# Altium PCB PCB.pcbdoc (part 5 of 6)
Units mil, origin at the board's own origin, x right, y up, seen from the top; angles counter-clockwise.
Board outline 12030 x 6651.89 mil, 2 copper layers (Top Layer, Bottom Layer); 4 components, 257 nets, 480 pads, 2 vias.
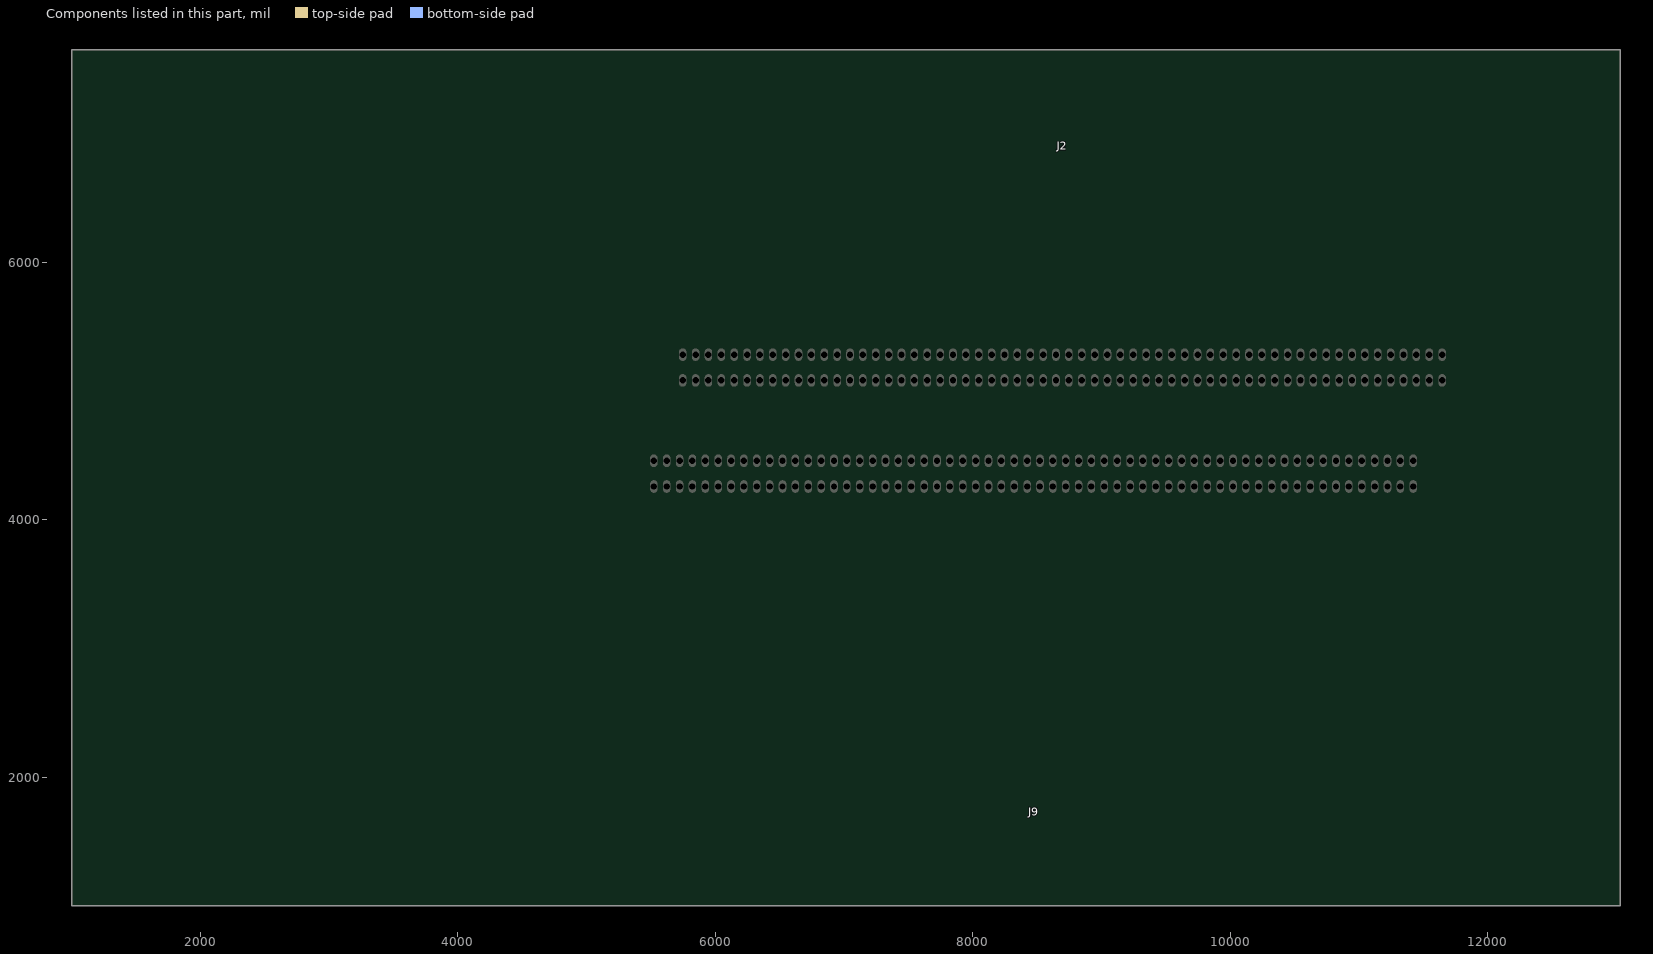
[diagram p5: the components of this part, seen from the top]

## Footprints (in the part's own frame and the unit in brackets; to place one, negate y for a bottom-side part, rotate by r counter-clockwise, add the part's x,y. Pads: shape width x height; smd on the part's side, far side on the other; paste and mask are expansions set on the pad) (continued)
I/O_EDGE_CONNECTOR [mil] (continued)
  Bottom Layer region: -248.3,213.67 -249.93,213.71 -249.93,213.71 -251.57,213.67 -251.57,213.67 -253.2,213.55 -253.2,213.55 -254.82,213.35 -254.82,213.35 -256.43,213.07 -256.43,213.07 -258.03,212.71 -258.03,212.71 -259.61,212.28 -259.61,212.28 -261.16,211.76 -261.16,211.76 -262.69,211.18 -262.69,211.18 -264.18,210.51 -264.18,210.51 -265.65,209.78 -265.65,209.78 -267.07,208.97 -267.07,208.97 -268.45,208.1 -268.45,208.1 -269.8,207.16 -269.8,207.16 -271.09,206.16 -271.09,206.16 -272.33,205.09 -272.33,205.09 -273.51,203.97 -273.51,203.97 -274.65,202.78 -274.65,202.78 -275.72,201.55 -275.72,201.55 -276.73,200.26 -276.73,200.26 -277.67,198.92 -277.67,198.92 -278.55,197.54 -278.55,197.54 -279.36,196.12 -279.36,196.12 -280.1,194.66 -280.1,194.66 -280.77,193.17 -280.77,193.17 -281.37,191.65 -281.37,191.65 -281.89,190.09 -281.89,190.09 -282.33,188.52 -282.33,188.52 -282.69,186.92 -282.69,186.92 -282.98,185.31 -282.98,185.31 -283.19,183.69 -283.19,183.69 -283.32,182.06 -283.32,182.06 -283.36,180.46 -283.36,180.46 -283.39,180.46 -283.39,180.46 -283.39,-213.24 -283.39,-213.24 -216.46,-213.24 -216.46,-213.24 -216.46,180.46 -216.46,180.46 -216.51,182.09 -216.51,182.09 -216.64,183.72 -216.64,183.72 -216.85,185.35 -216.85,185.35 -217.14,186.95 -217.14,186.95 -217.51,188.55 -217.51,188.55 -217.95,190.12 -217.95,190.12 -218.47,191.68 -218.47,191.68 -219.07,193.2 -219.07,193.2 -219.74,194.69 -219.74,194.69 -220.48,196.15 -220.48,196.15 -221.29,197.57 -221.29,197.57 -222.17,198.95 -222.17,198.95 -223.12,200.28 -223.12,200.28 -224.13,201.57 -224.13,201.57 -225.2,202.81 -225.2,202.81 -226.34,203.99 -226.34,203.99 -227.52,205.11 -227.52,205.11 -228.77,206.18 -228.77,206.18 -230.06,207.18 -230.06,207.18 -231.4,208.12 -231.4,208.12 -232.78,208.99 -232.78,208.99 -234.21,209.79 -234.21,209.79 -235.67,210.53 -235.67,210.53 -237.17,211.19 -237.17,211.19 -238.7,211.77 -238.7,211.77 -240.25,212.28 -240.25,212.28 -241.83,212.72 -241.83,212.72 -243.43,213.07 -243.43,213.07 -245.04,213.35 -245.04,213.35 -246.66,213.55 -246.66,213.55
  Bottom Layer region: -348.38,212.73 -350.01,212.77 -350.01,212.77 -351.65,212.73 -351.65,212.73 -353.28,212.61 -353.28,212.61 -354.91,212.41 -354.91,212.41 -356.52,212.13 -356.52,212.13 -358.11,211.77 -358.11,211.77 -359.69,211.33 -359.69,211.33 -361.24,210.82 -361.24,210.82 -362.77,210.23 -362.77,210.23 -364.27,209.57 -364.27,209.57 -365.73,208.84 -365.73,208.84 -367.16,208.03 -367.16,208.03 -368.54,207.16 -368.54,207.16 -369.88,206.22 -369.88,206.22 -371.17,205.22 -371.17,205.22 -372.41,204.15 -372.41,204.15 -373.6,203.02 -373.6,203.02 -374.73,201.84 -374.73,201.84 -375.8,200.6 -375.8,200.6 -376.81,199.32 -376.81,199.32 -377.76,197.98 -377.76,197.98 -378.64,196.6 -378.64,196.6 -379.45,195.18 -379.45,195.18 -380.19,193.72 -380.19,193.72 -380.86,192.23 -380.86,192.23 -381.45,190.7 -381.45,190.7 -381.97,189.15 -381.97,189.15 -382.41,187.58 -382.41,187.58 -382.78,185.98 -382.78,185.98 -383.06,184.37 -383.06,184.37 -383.27,182.75 -383.27,182.75 -383.4,181.12 -383.4,181.12 -383.45,179.52 -383.45,179.52 -383.48,179.52 -383.48,179.52 -383.48,-214.19 -383.48,-214.19 -316.55,-214.19 -316.55,-214.19 -316.55,179.52 -316.55,179.52 -316.6,181.15 -316.6,181.15 -316.73,182.78 -316.73,182.78 -316.94,184.4 -316.94,184.4 -317.22,186.02 -317.22,186.02 -317.59,187.61 -317.59,187.61 -318.03,189.18 -318.03,189.18 -318.56,190.74 -318.56,190.74 -319.15,192.26 -319.15,192.26 -319.82,193.75 -319.82,193.75 -320.56,195.21 -320.56,195.21 -321.38,196.63 -321.38,196.63 -322.26,198.01 -322.26,198.01 -323.2,199.34 -323.2,199.34 -324.22,200.63 -324.22,200.63 -325.29,201.86 -325.29,201.86 -326.42,203.05 -326.42,203.05 -327.61,204.17 -327.61,204.17 -328.85,205.23 -328.85,205.23 -330.14,206.24 -330.14,206.24 -331.48,207.18 -331.48,207.18 -332.87,208.05 -332.87,208.05 -334.29,208.85 -334.29,208.85 -335.76,209.59 -335.76,209.59 -337.25,210.24 -337.25,210.24 -338.78,210.83 -338.78,210.83 -340.33,211.34 -340.33,211.34 -341.91,211.78 -341.91,211.78 -343.51,212.13 -343.51,212.13 -345.12,212.41 -345.12,212.41 -346.75,212.61 -346.75,212.61
  Bottom Layer region: -448.38,212.73 -450.01,212.77 -450.01,212.77 -451.65,212.73 -451.65,212.73 -453.28,212.61 -453.28,212.61 -454.9,212.41 -454.9,212.41 -456.52,212.13 -456.52,212.13 -458.11,211.77 -458.11,211.77 -459.69,211.33 -459.69,211.33 -461.24,210.82 -461.24,210.82 -462.77,210.23 -462.77,210.23 -464.27,209.57 -464.27,209.57 -465.73,208.84 -465.73,208.84 -467.15,208.03 -467.15,208.03 -468.54,207.16 -468.54,207.16 -469.88,206.22 -469.88,206.22 -471.17,205.22 -471.17,205.22 -472.41,204.15 -472.41,204.15 -473.6,203.02 -473.6,203.02 -474.73,201.84 -474.73,201.84 -475.8,200.6 -475.8,200.6 -476.81,199.32 -476.81,199.32 -477.75,197.98 -477.75,197.98 -478.63,196.6 -478.63,196.6 -479.45,195.18 -479.45,195.18 -480.18,193.72 -480.18,193.72 -480.85,192.23 -480.85,192.23 -481.45,190.7 -481.45,190.7 -481.97,189.15 -481.97,189.15 -482.41,187.58 -482.41,187.58 -482.78,185.98 -482.78,185.98 -483.06,184.37 -483.06,184.37 -483.27,182.75 -483.27,182.75 -483.4,181.12 -483.4,181.12 -483.45,179.52 -483.45,179.52 -483.48,179.52 -483.48,179.52 -483.48,-214.19 -483.48,-214.19 -416.55,-214.19 -416.55,-214.19 -416.55,179.52 -416.55,179.52 -416.59,181.15 -416.59,181.15 -416.73,182.78 -416.73,182.78 -416.93,184.4 -416.93,184.4 -417.22,186.02 -417.22,186.02 -417.59,187.61 -417.59,187.61 -418.03,189.18 -418.03,189.18 -418.56,190.74 -418.56,190.74 -419.15,192.26 -419.15,192.26 -419.82,193.75 -419.82,193.75 -420.56,195.21 -420.56,195.21 -421.37,196.63 -421.37,196.63 -422.25,198.01 -422.25,198.01 -423.2,199.34 -423.2,199.34 -424.21,200.63 -424.21,200.63 -425.29,201.86 -425.29,201.86 -426.42,203.05 -426.42,203.05 -427.61,204.17 -427.61,204.17 -428.85,205.23 -428.85,205.23 -430.14,206.24 -430.14,206.24 -431.48,207.18 -431.48,207.18 -432.87,208.05 -432.87,208.05 -434.29,208.85 -434.29,208.85 -435.76,209.59 -435.76,209.59 -437.25,210.24 -437.25,210.24 -438.78,210.83 -438.78,210.83 -440.33,211.34 -440.33,211.34 -441.91,211.78 -441.91,211.78 -443.51,212.13 -443.51,212.13 -445.12,212.41 -445.12,212.41 -446.74,212.61 -446.74,212.61
  Bottom Layer region: -548.38,212.73 -550.01,212.77 -550.01,212.77 -551.65,212.73 -551.65,212.73 -553.28,212.61 -553.28,212.61 -554.91,212.41 -554.91,212.41 -556.52,212.13 -556.52,212.13 -558.11,211.77 -558.11,211.77 -559.69,211.33 -559.69,211.33 -561.24,210.82 -561.24,210.82 -562.77,210.23 -562.77,210.23 -564.27,209.57 -564.27,209.57 -565.73,208.84 -565.73,208.84 -567.16,208.03 -567.16,208.03 -568.54,207.16 -568.54,207.16 -569.88,206.22 -569.88,206.22 -571.17,205.22 -571.17,205.22 -572.41,204.15 -572.41,204.15 -573.6,203.02 -573.6,203.02 -574.73,201.84 -574.73,201.84 -575.8,200.6 -575.8,200.6 -576.81,199.32 -576.81,199.32 -577.76,197.98 -577.76,197.98 -578.64,196.6 -578.64,196.6 -579.45,195.18 -579.45,195.18 -580.19,193.72 -580.19,193.72 -580.86,192.23 -580.86,192.23 -581.45,190.7 -581.45,190.7 -581.97,189.15 -581.97,189.15 -582.41,187.58 -582.41,187.58 -582.78,185.98 -582.78,185.98 -583.06,184.37 -583.06,184.37 -583.27,182.75 -583.27,182.75 -583.4,181.12 -583.4,181.12 -583.45,179.52 -583.45,179.52 -583.48,179.52 -583.48,179.52 -583.48,-214.19 -583.48,-214.19 -516.55,-214.19 -516.55,-214.19 -516.55,179.52 -516.55,179.52 -516.6,181.15 -516.6,181.15 -516.73,182.78 -516.73,182.78 -516.94,184.4 -516.94,184.4 -517.23,186.02 -517.23,186.02 -517.59,187.61 -517.59,187.61 -518.03,189.18 -518.03,189.18 -518.56,190.74 -518.56,190.74 -519.15,192.26 -519.15,192.26 -519.82,193.75 -519.82,193.75 -520.56,195.21 -520.56,195.21 -521.38,196.63 -521.38,196.63 -522.26,198.01 -522.26,198.01 -523.2,199.34 -523.2,199.34 -524.22,200.63 -524.22,200.63 -525.29,201.86 -525.29,201.86 -526.42,203.05 -526.42,203.05 -527.61,204.17 -527.61,204.17 -528.85,205.23 -528.85,205.23 -530.14,206.24 -530.14,206.24 -531.48,207.18 -531.48,207.18 -532.87,208.05 -532.87,208.05 -534.29,208.85 -534.29,208.85 -535.76,209.59 -535.76,209.59 -537.25,210.24 -537.25,210.24 -538.78,210.83 -538.78,210.83 -540.34,211.34 -540.34,211.34 -541.91,211.78 -541.91,211.78 -543.51,212.13 -543.51,212.13 -545.12,212.41 -545.12,212.41 -546.75,212.61 -546.75,212.61
  Bottom Layer region: -648.38,212.73 -650.01,212.77 -650.01,212.77 -651.65,212.73 -651.65,212.73 -653.28,212.61 -653.28,212.61 -654.91,212.41 -654.91,212.41 -656.52,212.13 -656.52,212.13 -658.12,211.77 -658.12,211.77 -659.69,211.33 -659.69,211.33 -661.24,210.82 -661.24,210.82 -662.77,210.23 -662.77,210.23 -664.27,209.57 -664.27,209.57 -665.73,208.84 -665.73,208.84 -667.16,208.03 -667.16,208.03 -668.54,207.16 -668.54,207.16 -669.88,206.22 -669.88,206.22 -671.17,205.22 -671.17,205.22 -672.41,204.15 -672.41,204.15 -673.6,203.02 -673.6,203.02 -674.73,201.84 -674.73,201.84 -675.8,200.6 -675.8,200.6 -676.81,199.32 -676.81,199.32 -677.76,197.98 -677.76,197.98 -678.64,196.6 -678.64,196.6 -679.45,195.18 -679.45,195.18 -680.19,193.72 -680.19,193.72 -680.86,192.23 -680.86,192.23 -681.45,190.7 -681.45,190.7 -681.97,189.15 -681.97,189.15 -682.41,187.58 -682.41,187.58 -682.78,185.98 -682.78,185.98 -683.07,184.37 -683.07,184.37 -683.27,182.75 -683.27,182.75 -683.4,181.12 -683.4,181.12 -683.45,179.52 -683.45,179.52 -683.48,179.52 -683.48,179.52 -683.48,-214.19 -683.48,-214.19 -616.55,-214.19 -616.55,-214.19 -616.55,179.52 -616.55,179.52 -616.6,181.15 -616.6,181.15 -616.73,182.78 -616.73,182.78 -616.94,184.4 -616.94,184.4 -617.23,186.02 -617.23,186.02 -617.59,187.61 -617.59,187.61 -618.04,189.18 -618.04,189.18 -618.56,190.74 -618.56,190.74 -619.15,192.26 -619.15,192.26 -619.82,193.75 -619.82,193.75 -620.57,195.21 -620.57,195.21 -621.38,196.63 -621.38,196.63 -622.26,198.01 -622.26,198.01 -623.2,199.34 -623.2,199.34 -624.22,200.63 -624.22,200.63 -625.29,201.86 -625.29,201.86 -626.42,203.05 -626.42,203.05 -627.61,204.17 -627.61,204.17 -628.85,205.23 -628.85,205.23 -630.15,206.24 -630.15,206.24 -631.49,207.18 -631.49,207.18 -632.87,208.05 -632.87,208.05 -634.3,208.85 -634.3,208.85 -635.76,209.59 -635.76,209.59 -637.25,210.24 -637.25,210.24 -638.78,210.83 -638.78,210.83 -640.34,211.34 -640.34,211.34 -641.91,211.78 -641.91,211.78 -643.51,212.13 -643.51,212.13 -645.12,212.41 -645.12,212.41 -646.75,212.61 -646.75,212.61
  Bottom Layer region: -748.35,213.04 -749.99,213.08 -749.99,213.08 -751.62,213.04 -751.62,213.04 -753.25,212.91 -753.25,212.91 -754.88,212.72 -754.88,212.72 -756.49,212.43 -756.49,212.43 -758.08,212.08 -758.08,212.08 -759.66,211.64 -759.66,211.64 -761.22,211.13 -761.22,211.13 -762.74,210.54 -762.74,210.54 -764.24,209.88 -764.24,209.88 -765.7,209.15 -765.7,209.15 -767.13,208.34 -767.13,208.34 -768.51,207.47 -768.51,207.47 -769.85,206.53 -769.85,206.53 -771.14,205.52 -771.14,205.52 -772.38,204.46 -772.38,204.46 -773.57,203.33 -773.57,203.33 -774.7,202.15 -774.7,202.15 -775.77,200.91 -775.77,200.91 -776.78,199.63 -776.78,199.63 -777.73,198.29 -777.73,198.29 -778.61,196.91 -778.61,196.91 -779.42,195.49 -779.42,195.49 -780.16,194.03 -780.16,194.03 -780.83,192.54 -780.83,192.54 -781.42,191.01 -781.42,191.01 -781.94,189.46 -781.94,189.46 -782.38,187.89 -782.38,187.89 -782.75,186.29 -782.75,186.29 -783.04,184.68 -783.04,184.68 -783.24,183.06 -783.24,183.06 -783.37,181.43 -783.37,181.43 -783.42,179.82 -783.42,179.82 -783.45,179.82 -783.45,179.82 -783.45,-213.88 -783.45,-213.88 -716.52,-213.88 -716.52,-213.88 -716.52,179.82 -716.52,179.82 -716.57,181.46 -716.57,181.46 -716.7,183.09 -716.7,183.09 -716.91,184.71 -716.91,184.71 -717.2,186.32 -717.2,186.32 -717.56,187.92 -717.56,187.92 -718.01,189.49 -718.01,189.49 -718.53,191.04 -718.53,191.04 -719.12,192.57 -719.12,192.57 -719.79,194.06 -719.79,194.06 -720.53,195.52 -720.53,195.52 -721.35,196.94 -721.35,196.94 -722.23,198.32 -722.23,198.32 -723.17,199.65 -723.17,199.65 -724.19,200.94 -724.19,200.94 -725.26,202.17 -725.26,202.17 -726.39,203.36 -726.39,203.36 -727.58,204.48 -727.58,204.48 -728.82,205.54 -728.82,205.54 -730.11,206.55 -730.11,206.55 -731.45,207.49 -731.45,207.49 -732.84,208.36 -732.84,208.36 -734.26,209.16 -734.26,209.16 -735.73,209.89 -735.73,209.89 -737.23,210.56 -737.23,210.56 -738.75,211.14 -738.75,211.14 -740.31,211.65 -740.31,211.65 -741.89,212.09 -741.89,212.09 -743.48,212.44 -743.48,212.44 -745.09,212.72 -745.09,212.72 -746.72,212.92 -746.72,212.92
  Bottom Layer region: -848.35,213.04 -849.98,213.08 -849.98,213.08 -851.62,213.04 -851.62,213.04 -853.25,212.91 -853.25,212.91 -854.87,212.72 -854.87,212.72 -856.49,212.43 -856.49,212.43 -858.08,212.08 -858.08,212.08 -859.66,211.64 -859.66,211.64 -861.21,211.13 -861.21,211.13 -862.74,210.54 -862.74,210.54 -864.24,209.88 -864.24,209.88 -865.7,209.15 -865.7,209.15 -867.12,208.34 -867.12,208.34 -868.51,207.47 -868.51,207.47 -869.85,206.53 -869.85,206.53 -871.14,205.52 -871.14,205.52 -872.38,204.46 -872.38,204.46 -873.57,203.33 -873.57,203.33 -874.7,202.15 -874.7,202.15 -875.77,200.91 -875.77,200.91 -876.78,199.63 -876.78,199.63 -877.72,198.29 -877.72,198.29 -878.6,196.91 -878.6,196.91 -879.41,195.49 -879.41,195.49 -880.16,194.03 -880.16,194.03 -880.82,192.54 -880.82,192.54 -881.42,191.01 -881.42,191.01 -881.94,189.46 -881.94,189.46 -882.38,187.89 -882.38,187.89 -882.74,186.29 -882.74,186.29 -883.03,184.68 -883.03,184.68 -883.24,183.06 -883.24,183.06 -883.37,181.43 -883.37,181.43 -883.41,179.82 -883.41,179.82 -883.44,179.82 -883.44,179.82 -883.44,-213.88 -883.44,-213.88 -816.51,-213.88 -816.51,-213.88 -816.51,179.82 -816.51,179.82 -816.57,181.46 -816.57,181.46 -816.69,183.09 -816.69,183.09 -816.9,184.71 -816.9,184.71 -817.19,186.32 -817.19,186.32 -817.56,187.92 -817.56,187.92 -818,189.49 -818,189.49 -818.52,191.04 -818.52,191.04 -819.12,192.57 -819.12,192.57 -819.79,194.06 -819.79,194.06 -820.53,195.52 -820.53,195.52 -821.34,196.94 -821.34,196.94 -822.22,198.32 -822.22,198.32 -823.17,199.65 -823.17,199.65 -824.18,200.94 -824.18,200.94 -825.26,202.17 -825.26,202.17 -826.39,203.36 -826.39,203.36 -827.58,204.48 -827.58,204.48 -828.82,205.54 -828.82,205.54 -830.11,206.55 -830.11,206.55 -831.45,207.49 -831.45,207.49 -832.84,208.36 -832.84,208.36 -834.26,209.16 -834.26,209.16 -835.72,209.89 -835.72,209.89 -837.22,210.56 -837.22,210.56 -838.75,211.14 -838.75,211.14 -840.3,211.65 -840.3,211.65 -841.88,212.09 -841.88,212.09 -843.48,212.44 -843.48,212.44 -845.09,212.72 -845.09,212.72 -846.71,212.92 -846.71,212.92
  Bottom Layer region: -948.34,213.04 -949.98,213.08 -949.98,213.08 -951.62,213.03 -951.62,213.03 -953.25,212.91 -953.25,212.91 -954.87,212.71 -954.87,212.71 -956.48,212.43 -956.48,212.43 -958.08,212.08 -958.08,212.08 -959.66,211.64 -959.66,211.64 -961.21,211.13 -961.21,211.13 -962.74,210.54 -962.74,210.54 -964.24,209.88 -964.24,209.88 -965.7,209.15 -965.7,209.15 -967.12,208.34 -967.12,208.34 -968.5,207.47 -968.5,207.47 -969.84,206.53 -969.84,206.53 -971.14,205.52 -971.14,205.52 -972.38,204.45 -972.38,204.45 -973.57,203.33 -973.57,203.33 -974.7,202.15 -974.7,202.15 -975.77,200.91 -975.77,200.91 -976.78,199.63 -976.78,199.63 -977.72,198.29 -977.72,198.29 -978.6,196.91 -978.6,196.91 -979.41,195.49 -979.41,195.49 -980.15,194.03 -980.15,194.03 -980.82,192.53 -980.82,192.53 -981.42,191.01 -981.42,191.01 -981.93,189.46 -981.93,189.46 -982.38,187.89 -982.38,187.89 -982.74,186.29 -982.74,186.29 -983.03,184.68 -983.03,184.68 -983.24,183.06 -983.24,183.06 -983.37,181.43 -983.37,181.43 -983.41,179.82 -983.41,179.82 -983.44,179.82 -983.44,179.82 -983.44,-213.88 -983.44,-213.88 -916.51,-213.88 -916.51,-213.88 -916.51,179.82 -916.51,179.82 -916.56,181.46 -916.56,181.46 -916.69,183.09 -916.69,183.09 -916.9,184.71 -916.9,184.71 -917.19,186.32 -917.19,186.32 -917.56,187.91 -917.56,187.91 -918,189.49 -918,189.49 -918.52,191.04 -918.52,191.04 -919.12,192.57 -919.12,192.57 -919.79,194.06 -919.79,194.06 -920.53,195.52 -920.53,195.52 -921.34,196.94 -921.34,196.94 -922.22,198.32 -922.22,198.32 -923.17,199.65 -923.17,199.65 -924.18,200.94 -924.18,200.94 -925.25,202.17 -925.25,202.17 -926.39,203.35 -926.39,203.35 -927.58,204.48 -927.58,204.48 -928.82,205.54 -928.82,205.54 -930.11,206.55 -930.11,206.55 -931.45,207.49 -931.45,207.49 -932.83,208.36 -932.83,208.36 -934.26,209.16 -934.26,209.16 -935.72,209.89 -935.72,209.89 -937.22,210.55 -937.22,210.55 -938.75,211.14 -938.75,211.14 -940.3,211.65 -940.3,211.65 -941.88,212.08 -941.88,212.08 -943.48,212.44 -943.48,212.44 -945.09,212.72 -945.09,212.72 -946.71,212.91 -946.71,212.91
  Bottom Layer region: -1048.35,213.04 -1049.98,213.08 -1049.98,213.08 -1051.62,213.04 -1051.62,213.04 -1053.25,212.91 -1053.25,212.91 -1054.87,212.72 -1054.87,212.72 -1056.49,212.43 -1056.49,212.43 -1058.08,212.08 -1058.08,212.08 -1059.66,211.64 -1059.66,211.64 -1061.21,211.13 -1061.21,211.13 -1062.74,210.54 -1062.74,210.54 -1064.24,209.88 -1064.24,209.88 -1065.7,209.15 -1065.7,209.15 -1067.12,208.34 -1067.12,208.34 -1068.51,207.47 -1068.51,207.47 -1069.85,206.53 -1069.85,206.53 -1071.14,205.52 -1071.14,205.52 -1072.38,204.46 -1072.38,204.46 -1073.57,203.33 -1073.57,203.33 -1074.7,202.15 -1074.7,202.15 -1075.77,200.91 -1075.77,200.91 -1076.78,199.63 -1076.78,199.63 -1077.72,198.29 -1077.72,198.29 -1078.6,196.91 -1078.6,196.91 -1079.41,195.49 -1079.41,195.49 -1080.16,194.03 -1080.16,194.03 -1080.82,192.54 -1080.82,192.54 -1081.42,191.01 -1081.42,191.01 -1081.94,189.46 -1081.94,189.46 -1082.38,187.89 -1082.38,187.89 -1082.74,186.29 -1082.74,186.29 -1083.03,184.68 -1083.03,184.68 -1083.24,183.06 -1083.24,183.06 -1083.37,181.43 -1083.37,181.43 -1083.41,179.82 -1083.41,179.82 -1083.44,179.82 -1083.44,179.82 -1083.44,-213.88 -1083.44,-213.88 -1016.51,-213.88 -1016.51,-213.88 -1016.51,179.82 -1016.51,179.82 -1016.57,181.46 -1016.57,181.46 -1016.69,183.09 -1016.69,183.09 -1016.9,184.71 -1016.9,184.71 -1017.19,186.32 -1017.19,186.32 -1017.56,187.92 -1017.56,187.92 -1018,189.49 -1018,189.49 -1018.52,191.04 -1018.52,191.04 -1019.12,192.57 -1019.12,192.57 -1019.79,194.06 -1019.79,194.06 -1020.53,195.52 -1020.53,195.52 -1021.34,196.94 -1021.34,196.94 -1022.22,198.32 -1022.22,198.32 -1023.17,199.65 -1023.17,199.65 -1024.18,200.94 -1024.18,200.94 -1025.26,202.17 -1025.26,202.17 -1026.39,203.36 -1026.39,203.36 -1027.58,204.48 -1027.58,204.48 -1028.82,205.54 -1028.82,205.54 -1030.11,206.55 -1030.11,206.55 -1031.45,207.49 -1031.45,207.49 -1032.84,208.36 -1032.84,208.36 -1034.26,209.16 -1034.26,209.16 -1035.72,209.89 -1035.72,209.89 -1037.22,210.56 -1037.22,210.56 -1038.75,211.14 -1038.75,211.14 -1040.3,211.65 -1040.3,211.65 -1041.88,212.09 -1041.88,212.09 -1043.48,212.44 -1043.48,212.44 -1045.09,212.72 -1045.09,212.72 -1046.71,212.92 -1046.71,212.92
  Bottom Layer region: -1148.37,212.73 -1150,212.77 -1150,212.77 -1151.64,212.73 -1151.64,212.73 -1153.27,212.61 -1153.27,212.61 -1154.89,212.41 -1154.89,212.41 -1156.51,212.13 -1156.51,212.13 -1158.1,211.77 -1158.1,211.77 -1159.68,211.33 -1159.68,211.33 -1161.23,210.82 -1161.23,210.82 -1162.76,210.23 -1162.76,210.23 -1164.26,209.57 -1164.26,209.57 -1165.72,208.84 -1165.72,208.84 -1167.14,208.03 -1167.14,208.03 -1168.53,207.16 -1168.53,207.16 -1169.87,206.22 -1169.87,206.22 -1171.16,205.22 -1171.16,205.22 -1172.4,204.15 -1172.4,204.15 -1173.59,203.02 -1173.59,203.02 -1174.72,201.84 -1174.72,201.84 -1175.79,200.61 -1175.79,200.61 -1176.8,199.32 -1176.8,199.32 -1177.74,197.99 -1177.74,197.99 -1178.62,196.61 -1178.62,196.61 -1179.44,195.18 -1179.44,195.18 -1180.18,193.73 -1180.18,193.73 -1180.84,192.23 -1180.84,192.23 -1181.44,190.71 -1181.44,190.71 -1181.96,189.15 -1181.96,189.15 -1182.4,187.58 -1182.4,187.58 -1182.77,185.98 -1182.77,185.98 -1183.05,184.37 -1183.05,184.37 -1183.26,182.75 -1183.26,182.75 -1183.39,181.12 -1183.39,181.12 -1183.44,179.52 -1183.44,179.52 -1183.47,179.52 -1183.47,179.52 -1183.47,-214.18 -1183.47,-214.18 -1116.54,-214.18 -1116.54,-214.18 -1116.54,179.52 -1116.54,179.52 -1116.59,181.15 -1116.59,181.15 -1116.72,182.78 -1116.72,182.78 -1116.92,184.41 -1116.92,184.41 -1117.21,186.02 -1117.21,186.02 -1117.58,187.61 -1117.58,187.61 -1118.02,189.19 -1118.02,189.19 -1118.55,190.74 -1118.55,190.74 -1119.14,192.26 -1119.14,192.26 -1119.81,193.75 -1119.81,193.75 -1120.55,195.21 -1120.55,195.21 -1121.36,196.63 -1121.36,196.63 -1122.25,198.01 -1122.25,198.01 -1123.19,199.35 -1123.19,199.35 -1124.2,200.63 -1124.2,200.63 -1125.28,201.87 -1125.28,201.87 -1126.41,203.05 -1126.41,203.05 -1127.6,204.17 -1127.6,204.17 -1128.84,205.24 -1128.84,205.24 -1130.13,206.24 -1130.13,206.24 -1131.47,207.18 -1131.47,207.18 -1132.86,208.05 -1132.86,208.05 -1134.28,208.86 -1134.28,208.86 -1135.74,209.59 -1135.74,209.59 -1137.24,210.25 -1137.24,210.25 -1138.77,210.83 -1138.77,210.83 -1140.32,211.34 -1140.32,211.34 -1141.9,211.78 -1141.9,211.78 -1143.5,212.14 -1143.5,212.14 -1145.11,212.41 -1145.11,212.41 -1146.74,212.61 -1146.74,212.61
  Bottom Layer region: -1248.36,212.73 -1250,212.77 -1250,212.77 -1251.64,212.73 -1251.64,212.73 -1253.27,212.61 -1253.27,212.61 -1254.89,212.41 -1254.89,212.41 -1256.5,212.13 -1256.5,212.13 -1258.1,211.77 -1258.1,211.77 -1259.68,211.33 -1259.68,211.33 -1261.23,210.82 -1261.23,210.82 -1262.76,210.23 -1262.76,210.23 -1264.25,209.57 -1264.25,209.57 -1265.72,208.84 -1265.72,208.84 -1267.14,208.03 -1267.14,208.03 -1268.53,207.16 -1268.53,207.16 -1269.87,206.22 -1269.87,206.22 -1271.16,205.22 -1271.16,205.22 -1272.4,204.15 -1272.4,204.15 -1273.58,203.02 -1273.58,203.02 -1274.72,201.84 -1274.72,201.84 -1275.79,200.61 -1275.79,200.61 -1276.8,199.32 -1276.8,199.32 -1277.74,197.99 -1277.74,197.99 -1278.62,196.61 -1278.62,196.61 -1279.43,195.18 -1279.43,195.18 -1280.17,193.73 -1280.17,193.73 -1280.84,192.23 -1280.84,192.23 -1281.44,190.71 -1281.44,190.71 -1281.96,189.15 -1281.96,189.15 -1282.4,187.58 -1282.4,187.58 -1282.76,185.98 -1282.76,185.98 -1283.05,184.37 -1283.05,184.37 -1283.26,182.75 -1283.26,182.75 -1283.39,181.12 -1283.39,181.12 -1283.43,179.52 -1283.43,179.52 -1283.46,179.52 -1283.46,179.52 -1283.46,-214.18 -1283.46,-214.18 -1216.53,-214.18 -1216.53,-214.18 -1216.53,179.52 -1216.53,179.52 -1216.58,181.15 -1216.58,181.15 -1216.71,182.78 -1216.71,182.78 -1216.92,184.41 -1216.92,184.41 -1217.21,186.02 -1217.21,186.02 -1217.58,187.61 -1217.58,187.61 -1218.02,189.19 -1218.02,189.19 -1218.54,190.74 -1218.54,190.74 -1219.14,192.26 -1219.14,192.26 -1219.81,193.75 -1219.81,193.75 -1220.55,195.21 -1220.55,195.21 -1221.36,196.63 -1221.36,196.63 -1222.24,198.01 -1222.24,198.01 -1223.19,199.35 -1223.19,199.35 -1224.2,200.63 -1224.2,200.63 -1225.28,201.87 -1225.28,201.87 -1226.41,203.05 -1226.41,203.05 -1227.6,204.17 -1227.6,204.17 -1228.84,205.24 -1228.84,205.24 -1230.13,206.24 -1230.13,206.24 -1231.47,207.18 -1231.47,207.18 -1232.86,208.05 -1232.86,208.05 -1234.28,208.86 -1234.28,208.86 -1235.74,209.59 -1235.74,209.59 -1237.24,210.25 -1237.24,210.25 -1238.77,210.83 -1238.77,210.83 -1240.32,211.34 -1240.32,211.34 -1241.9,211.78 -1241.9,211.78 -1243.5,212.14 -1243.5,212.14 -1245.11,212.41 -1245.11,212.41 -1246.73,212.61 -1246.73,212.61
  Bottom Layer region: -1348.36,212.73 -1350,212.77 -1350,212.77 -1351.63,212.73 -1351.63,212.73 -1353.27,212.61 -1353.27,212.61 -1354.89,212.41 -1354.89,212.41 -1356.5,212.13 -1356.5,212.13 -1358.1,211.77 -1358.1,211.77 -1359.67,211.33 -1359.67,211.33 -1361.23,210.82 -1361.23,210.82 -1362.76,210.23 -1362.76,210.23 -1364.25,209.57 -1364.25,209.57 -1365.72,208.84 -1365.72,208.84 -1367.14,208.03 -1367.14,208.03 -1368.52,207.16 -1368.52,207.16 -1369.86,206.22 -1369.86,206.22 -1371.15,205.22 -1371.15,205.22 -1372.4,204.15 -1372.4,204.15 -1373.58,203.02 -1373.58,203.02 -1374.71,201.84 -1374.71,201.84 -1375.78,200.61 -1375.78,200.61 -1376.8,199.32 -1376.8,199.32 -1377.74,197.99 -1377.74,197.99 -1378.62,196.61 -1378.62,196.61 -1379.43,195.18 -1379.43,195.18 -1380.17,193.73 -1380.17,193.73 -1380.84,192.23 -1380.84,192.23 -1381.43,190.71 -1381.43,190.71 -1381.95,189.15 -1381.95,189.15 -1382.4,187.58 -1382.4,187.58 -1382.76,185.98 -1382.76,185.98 -1383.05,184.37 -1383.05,184.37 -1383.26,182.75 -1383.26,182.75 -1383.39,181.12 -1383.39,181.12 -1383.43,179.52 -1383.43,179.52 -1383.46,179.52 -1383.46,179.52 -1383.46,-214.18 -1383.46,-214.18 -1316.53,-214.18 -1316.53,-214.18 -1316.53,179.52 -1316.53,179.52 -1316.58,181.15 -1316.58,181.15 -1316.71,182.78 -1316.71,182.78 -1316.92,184.41 -1316.92,184.41 -1317.21,186.02 -1317.21,186.02 -1317.58,187.61 -1317.58,187.61 -1318.02,189.19 -1318.02,189.19 -1318.54,190.74 -1318.54,190.74 -1319.14,192.26 -1319.14,192.26 -1319.81,193.75 -1319.81,193.75 -1320.55,195.21 -1320.55,195.21 -1321.36,196.63 -1321.36,196.63 -1322.24,198.01 -1322.24,198.01 -1323.19,199.35 -1323.19,199.35 -1324.2,200.63 -1324.2,200.63 -1325.27,201.87 -1325.27,201.87 -1326.41,203.05 -1326.41,203.05 -1327.59,204.17 -1327.59,204.17 -1328.83,205.24 -1328.83,205.24 -1330.13,206.24 -1330.13,206.24 -1331.47,207.18 -1331.47,207.18 -1332.85,208.05 -1332.85,208.05 -1334.28,208.86 -1334.28,208.86 -1335.74,209.59 -1335.74,209.59 -1337.24,210.25 -1337.24,210.25 -1338.77,210.83 -1338.77,210.83 -1340.32,211.34 -1340.32,211.34 -1341.9,211.78 -1341.9,211.78 -1343.49,212.14 -1343.49,212.14 -1345.11,212.41 -1345.11,212.41 -1346.73,212.61 -1346.73,212.61
  Bottom Layer region: -1448.36,212.73 -1450,212.77 -1450,212.77 -1451.63,212.73 -1451.63,212.73 -1453.27,212.61 -1453.27,212.61 -1454.89,212.41 -1454.89,212.41 -1456.5,212.13 -1456.5,212.13 -1458.1,211.77 -1458.1,211.77 -1459.68,211.33 -1459.68,211.33 -1461.23,210.82 -1461.23,210.82 -1462.76,210.23 -1462.76,210.23 -1464.25,209.57 -1464.25,209.57 -1465.72,208.84 -1465.72,208.84 -1467.14,208.03 -1467.14,208.03 -1468.53,207.16 -1468.53,207.16 -1469.87,206.22 -1469.87,206.22 -1471.15,205.22 -1471.15,205.22 -1472.4,204.15 -1472.4,204.15 -1473.58,203.02 -1473.58,203.02 -1474.71,201.84 -1474.71,201.84 -1475.78,200.61 -1475.78,200.61 -1476.8,199.32 -1476.8,199.32 -1477.74,197.99 -1477.74,197.99 -1478.62,196.61 -1478.62,196.61 -1479.43,195.18 -1479.43,195.18 -1480.18,193.73 -1480.18,193.73 -1480.84,192.23 -1480.84,192.23 -1481.43,190.71 -1481.43,190.71 -1481.96,189.15 -1481.96,189.15 -1482.4,187.58 -1482.4,187.58 -1482.77,185.98 -1482.77,185.98 -1483.05,184.37 -1483.05,184.37 -1483.26,182.75 -1483.26,182.75 -1483.39,181.12 -1483.39,181.12 -1483.44,179.52 -1483.44,179.52 -1483.46,179.52 -1483.46,179.52 -1483.46,-214.18 -1483.46,-214.18 -1416.53,-214.18 -1416.53,-214.18 -1416.53,179.52 -1416.53,179.52 -1416.59,181.15 -1416.59,181.15 -1416.71,182.78 -1416.71,182.78 -1416.92,184.41 -1416.92,184.41 -1417.21,186.02 -1417.21,186.02 -1417.58,187.61 -1417.58,187.61 -1418.02,189.19 -1418.02,189.19 -1418.54,190.74 -1418.54,190.74 -1419.14,192.26 -1419.14,192.26 -1419.81,193.75 -1419.81,193.75 -1420.55,195.21 -1420.55,195.21 -1421.36,196.63 -1421.36,196.63 -1422.24,198.01 -1422.24,198.01 -1423.19,199.35 -1423.19,199.35 -1424.2,200.63 -1424.2,200.63 -1425.27,201.87 -1425.27,201.87 -1426.41,203.05 -1426.41,203.05 -1427.59,204.17 -1427.59,204.17 -1428.83,205.24 -1428.83,205.24 -1430.13,206.24 -1430.13,206.24 -1431.47,207.18 -1431.47,207.18 -1432.86,208.05 -1432.86,208.05 -1434.28,208.86 -1434.28,208.86 -1435.74,209.59 -1435.74,209.59 -1437.24,210.25 -1437.24,210.25 -1438.77,210.83 -1438.77,210.83 -1440.32,211.34 -1440.32,211.34 -1441.9,211.78 -1441.9,211.78 -1443.5,212.14 -1443.5,212.14 -1445.11,212.41 -1445.11,212.41 -1446.73,212.61 -1446.73,212.61
  Bottom Layer region: -1548.34,213.05 -1549.97,213.09 -1549.97,213.09 -1551.61,213.04 -1551.61,213.04 -1553.24,212.92 -1553.24,212.92 -1554.86,212.72 -1554.86,212.72 -1556.48,212.44 -1556.48,212.44 -1558.07,212.09 -1558.07,212.09 -1559.65,211.65 -1559.65,211.65 -1561.2,211.14 -1561.2,211.14 -1562.73,210.55 -1562.73,210.55 -1564.23,209.89 -1564.23,209.89 -1565.69,209.15 -1565.69,209.15 -1567.11,208.35 -1567.11,208.35 -1568.5,207.48 -1568.5,207.48 -1569.84,206.54 -1569.84,206.54 -1571.13,205.53 -1571.13,205.53 -1572.37,204.47 -1572.37,204.47 -1573.56,203.34 -1573.56,203.34 -1574.69,202.16 -1574.69,202.16 -1575.76,200.92 -1575.76,200.92 -1576.77,199.64 -1576.77,199.64 -1577.71,198.3 -1577.71,198.3 -1578.59,196.92 -1578.59,196.92 -1579.41,195.5 -1579.41,195.5 -1580.15,194.04 -1580.15,194.04 -1580.81,192.55 -1580.81,192.55 -1581.41,191.02 -1581.41,191.02 -1581.93,189.47 -1581.93,189.47 -1582.37,187.9 -1582.37,187.9 -1582.74,186.3 -1582.74,186.3 -1583.02,184.69 -1583.02,184.69 -1583.23,183.07 -1583.23,183.07 -1583.36,181.44 -1583.36,181.44 -1583.41,179.83 -1583.41,179.83 -1583.43,179.83 -1583.43,179.83 -1583.43,-213.87 -1583.43,-213.87 -1516.5,-213.87 -1516.5,-213.87 -1516.5,179.83 -1516.5,179.83 -1516.56,181.47 -1516.56,181.47 -1516.68,183.1 -1516.68,183.1 -1516.89,184.72 -1516.89,184.72 -1517.18,186.33 -1517.18,186.33 -1517.55,187.93 -1517.55,187.93 -1517.99,189.5 -1517.99,189.5 -1518.51,191.05 -1518.51,191.05 -1519.11,192.58 -1519.11,192.58 -1519.78,194.07 -1519.78,194.07 -1520.52,195.53 -1520.52,195.53 -1521.33,196.95 -1521.33,196.95 -1522.21,198.33 -1522.21,198.33 -1523.16,199.66 -1523.16,199.66 -1524.17,200.95 -1524.17,200.95 -1525.25,202.18 -1525.25,202.18 -1526.38,203.36 -1526.38,203.36 -1527.57,204.49 -1527.57,204.49 -1528.81,205.55 -1528.81,205.55 -1530.1,206.56 -1530.1,206.56 -1531.44,207.49 -1531.44,207.49 -1532.83,208.37 -1532.83,208.37 -1534.25,209.17 -1534.25,209.17 -1535.71,209.9 -1535.71,209.9 -1537.21,210.56 -1537.21,210.56 -1538.74,211.15 -1538.74,211.15 -1540.29,211.66 -1540.29,211.66 -1541.87,212.09 -1541.87,212.09 -1543.47,212.45 -1543.47,212.45 -1545.08,212.73 -1545.08,212.73 -1546.7,212.93 -1546.7,212.93
  Bottom Layer region: -1648.33,213.05 -1649.97,213.09 -1649.97,213.09 -1651.6,213.04 -1651.6,213.04 -1653.24,212.92 -1653.24,212.92 -1654.86,212.72 -1654.86,212.72 -1656.47,212.44 -1656.47,212.44 -1658.07,212.09 -1658.07,212.09 -1659.64,211.65 -1659.64,211.65 -1661.2,211.14 -1661.2,211.14 -1662.73,210.55 -1662.73,210.55 -1664.22,209.89 -1664.22,209.89 -1665.68,209.15 -1665.68,209.15 -1667.11,208.35 -1667.11,208.35 -1668.49,207.48 -1668.49,207.48 -1669.83,206.54 -1669.83,206.54 -1671.12,205.53 -1671.12,205.53 -1672.36,204.47 -1672.36,204.47 -1673.55,203.34 -1673.55,203.34 -1674.68,202.16 -1674.68,202.16 -1675.75,200.92 -1675.75,200.92 -1676.76,199.64 -1676.76,199.64 -1677.71,198.3 -1677.71,198.3 -1678.59,196.92 -1678.59,196.92 -1679.4,195.5 -1679.4,195.5 -1680.14,194.04 -1680.14,194.04 -1680.81,192.55 -1680.81,192.55 -1681.4,191.02 -1681.4,191.02 -1681.92,189.47 -1681.92,189.47 -1682.37,187.9 -1682.37,187.9 -1682.73,186.3 -1682.73,186.3 -1683.02,184.69 -1683.02,184.69 -1683.23,183.07 -1683.23,183.07 -1683.35,181.44 -1683.35,181.44 -1683.4,179.83 -1683.4,179.83 -1683.43,179.83 -1683.43,179.83 -1683.43,-213.87 -1683.43,-213.87 -1616.5,-213.87 -1616.5,-213.87 -1616.5,179.83 -1616.5,179.83 -1616.55,181.47 -1616.55,181.47 -1616.68,183.1 -1616.68,183.1 -1616.89,184.72 -1616.89,184.72 -1617.18,186.33 -1617.18,186.33 -1617.55,187.93 -1617.55,187.93 -1617.99,189.5 -1617.99,189.5 -1618.51,191.05 -1618.51,191.05 -1619.11,192.58 -1619.11,192.58 -1619.78,194.07 -1619.78,194.07 -1620.52,195.53 -1620.52,195.53 -1621.33,196.95 -1621.33,196.95 -1622.21,198.33 -1622.21,198.33 -1623.16,199.66 -1623.16,199.66 -1624.17,200.95 -1624.17,200.95 -1625.24,202.18 -1625.24,202.18 -1626.38,203.36 -1626.38,203.36 -1627.56,204.49 -1627.56,204.49 -1628.81,205.55 -1628.81,205.55 -1630.1,206.56 -1630.1,206.56 -1631.44,207.49 -1631.44,207.49 -1632.82,208.37 -1632.82,208.37 -1634.25,209.17 -1634.25,209.17 -1635.71,209.9 -1635.71,209.9 -1637.21,210.56 -1637.21,210.56 -1638.74,211.15 -1638.74,211.15 -1640.29,211.66 -1640.29,211.66 -1641.87,212.09 -1641.87,212.09 -1643.46,212.45 -1643.46,212.45 -1645.08,212.73 -1645.08,212.73 -1646.7,212.93 -1646.7,212.93
  Bottom Layer region: -1748.33,213.05 -1749.96,213.09 -1749.96,213.09 -1751.6,213.04 -1751.6,213.04 -1753.23,212.92 -1753.23,212.92 -1754.86,212.72 -1754.86,212.72 -1756.47,212.44 -1756.47,212.44 -1758.06,212.09 -1758.06,212.09 -1759.64,211.65 -1759.64,211.65 -1761.19,211.14 -1761.19,211.14 -1762.72,210.55 -1762.72,210.55 -1764.22,209.89 -1764.22,209.89 -1765.68,209.15 -1765.68,209.15 -1767.11,208.35 -1767.11,208.35 -1768.49,207.48 -1768.49,207.48 -1769.83,206.54 -1769.83,206.54 -1771.12,205.53 -1771.12,205.53 -1772.36,204.47 -1772.36,204.47 -1773.55,203.34 -1773.55,203.34 -1774.68,202.16 -1774.68,202.16 -1775.75,200.92 -1775.75,200.92 -1776.76,199.63 -1776.76,199.63 -1777.71,198.3 -1777.71,198.3 -1778.59,196.92 -1778.59,196.92 -1779.4,195.5 -1779.4,195.5 -1780.14,194.04 -1780.14,194.04 -1780.81,192.55 -1780.81,192.55 -1781.4,191.02 -1781.4,191.02 -1781.92,189.47 -1781.92,189.47 -1782.36,187.9 -1782.36,187.9 -1782.73,186.3 -1782.73,186.3 -1783.01,184.69 -1783.01,184.69 -1783.22,183.07 -1783.22,183.07 -1783.35,181.44 -1783.35,181.44 -1783.4,179.83 -1783.4,179.83 -1783.43,179.83 -1783.43,179.83 -1783.43,-213.87 -1783.43,-213.87 -1716.5,-213.87 -1716.5,-213.87 -1716.5,179.83 -1716.5,179.83 -1716.55,181.47 -1716.55,181.47 -1716.68,183.1 -1716.68,183.1 -1716.89,184.72 -1716.89,184.72 -1717.17,186.33 -1717.17,186.33 -1717.54,187.93 -1717.54,187.93 -1717.99,189.5 -1717.99,189.5 -1718.51,191.05 -1718.51,191.05 -1719.1,192.58 -1719.1,192.58 -1719.77,194.07 -1719.77,194.07 -1720.51,195.53 -1720.51,195.53 -1721.33,196.95 -1721.33,196.95 -1722.21,198.33 -1722.21,198.33 -1723.15,199.66 -1723.15,199.66 -1724.17,200.95 -1724.17,200.95 -1725.24,202.18 -1725.24,202.18 -1726.37,203.36 -1726.37,203.36 -1727.56,204.49 -1727.56,204.49 -1728.8,205.55 -1728.8,205.55 -1730.1,206.56 -1730.1,206.56 -1731.43,207.49 -1731.43,207.49 -1732.82,208.37 -1732.82,208.37 -1734.24,209.17 -1734.24,209.17 -1735.71,209.9 -1735.71,209.9 -1737.21,210.56 -1737.21,210.56 -1738.73,211.15 -1738.73,211.15 -1740.29,211.66 -1740.29,211.66 -1741.86,212.09 -1741.86,212.09 -1743.46,212.45 -1743.46,212.45 -1745.07,212.73 -1745.07,212.73 -1746.7,212.93 -1746.7,212.93
  Bottom Layer region: -1848.33,213.05 -1849.97,213.09 -1849.97,213.09 -1851.6,213.04 -1851.6,213.04 -1853.24,212.92 -1853.24,212.92 -1854.86,212.72 -1854.86,212.72 -1856.47,212.44 -1856.47,212.44 -1858.07,212.09 -1858.07,212.09 -1859.65,211.65 -1859.65,211.65 -1861.2,211.14 -1861.2,211.14 -1862.73,210.55 -1862.73,210.55 -1864.22,209.89 -1864.22,209.89 -1865.68,209.15 -1865.68,209.15 -1867.11,208.35 -1867.11,208.35 -1868.49,207.48 -1868.49,207.48 -1869.83,206.54 -1869.83,206.54 -1871.12,205.53 -1871.12,205.53 -1872.37,204.47 -1872.37,204.47 -1873.55,203.34 -1873.55,203.34 -1874.68,202.16 -1874.68,202.16 -1875.75,200.92 -1875.75,200.92 -1876.77,199.63 -1876.77,199.63 -1877.71,198.3 -1877.71,198.3 -1878.59,196.92 -1878.59,196.92 -1879.4,195.5 -1879.4,195.5 -1880.14,194.04 -1880.14,194.04 -1880.81,192.55 -1880.81,192.55 -1881.41,191.02 -1881.41,191.02 -1881.92,189.47 -1881.92,189.47 -1882.37,187.9 -1882.37,187.9 -1882.73,186.3 -1882.73,186.3 -1883.02,184.69 -1883.02,184.69 -1883.23,183.07 -1883.23,183.07 -1883.35,181.44 -1883.35,181.44 -1883.4,179.83 -1883.4,179.83 -1883.43,179.83 -1883.43,179.83 -1883.43,-213.87 -1883.43,-213.87 -1816.5,-213.87 -1816.5,-213.87 -1816.5,179.83 -1816.5,179.83 -1816.55,181.47 -1816.55,181.47 -1816.68,183.1 -1816.68,183.1 -1816.89,184.72 -1816.89,184.72 -1817.18,186.33 -1817.18,186.33 -1817.55,187.93 -1817.55,187.93 -1817.99,189.5 -1817.99,189.5 -1818.51,191.05 -1818.51,191.05 -1819.11,192.58 -1819.11,192.58 -1819.78,194.07 -1819.78,194.07 -1820.52,195.53 -1820.52,195.53 -1821.33,196.95 -1821.33,196.95 -1822.21,198.33 -1822.21,198.33 -1823.16,199.66 -1823.16,199.66 -1824.17,200.95 -1824.17,200.95 -1825.24,202.18 -1825.24,202.18 -1826.38,203.36 -1826.38,203.36 -1827.56,204.49 -1827.56,204.49 -1828.81,205.55 -1828.81,205.55 -1830.1,206.56 -1830.1,206.56 -1831.44,207.49 -1831.44,207.49 -1832.82,208.37 -1832.82,208.37 -1834.25,209.17 -1834.25,209.17 -1835.71,209.9 -1835.71,209.9 -1837.21,210.56 -1837.21,210.56 -1838.73,211.15 -1838.73,211.15 -1840.29,211.66 -1840.29,211.66 -1841.87,212.09 -1841.87,212.09 -1843.46,212.45 -1843.46,212.45 -1845.08,212.73 -1845.08,212.73 -1846.7,212.93 -1846.7,212.93
  Bottom Layer region: -1948.35,213.04 -1949.99,213.09 -1949.99,213.09 -1951.62,213.04 -1951.62,213.04 -1953.26,212.92 -1953.26,212.92 -1954.88,212.72 -1954.88,212.72 -1956.49,212.44 -1956.49,212.44 -1958.09,212.08 -1958.09,212.08 -1959.67,211.65 -1959.67,211.65 -1961.22,211.13 -1961.22,211.13 -1962.75,210.55 -1962.75,210.55 -1964.24,209.89 -1964.24,209.89 -1965.71,209.15 -1965.71,209.15 -1967.13,208.35 -1967.13,208.35 -1968.51,207.48 -1968.51,207.48 -1969.85,206.54 -1969.85,206.54 -1971.15,205.53 -1971.15,205.53 -1972.39,204.46 -1972.39,204.46 -1973.57,203.34 -1973.57,203.34 -1974.7,202.16 -1974.7,202.16 -1975.77,200.92 -1975.77,200.92 -1976.79,199.63 -1976.79,199.63 -1977.73,198.3 -1977.73,198.3 -1978.61,196.92 -1978.61,196.92 -1979.42,195.5 -1979.42,195.5 -1980.17,194.04 -1980.17,194.04 -1980.83,192.54 -1980.83,192.54 -1981.43,191.02 -1981.43,191.02 -1981.95,189.47 -1981.95,189.47 -1982.39,187.89 -1982.39,187.89 -1982.75,186.3 -1982.75,186.3 -1983.04,184.69 -1983.04,184.69 -1983.25,183.07 -1983.25,183.07 -1983.38,181.43 -1983.38,181.43 -1983.42,179.83 -1983.42,179.83 -1983.45,179.83 -1983.45,179.83 -1983.45,-213.87 -1983.45,-213.87 -1916.52,-213.87 -1916.52,-213.87 -1916.52,179.83 -1916.52,179.83 -1916.58,181.46 -1916.58,181.46 -1916.7,183.1 -1916.7,183.1 -1916.91,184.72 -1916.91,184.72 -1917.2,186.33 -1917.2,186.33 -1917.57,187.92 -1917.57,187.92 -1918.01,189.5 -1918.01,189.5 -1918.53,191.05 -1918.53,191.05 -1919.13,192.57 -1919.13,192.57 -1919.79,194.07 -1919.79,194.07 -1920.54,195.53 -1920.54,195.53 -1921.35,196.95 -1921.35,196.95 -1922.23,198.32 -1922.23,198.32 -1923.18,199.66 -1923.18,199.66 -1924.19,200.94 -1924.19,200.94 -1925.27,202.18 -1925.27,202.18 -1926.4,203.36 -1926.4,203.36 -1927.58,204.49 -1927.58,204.49 -1928.83,205.55 -1928.83,205.55 -1930.12,206.56 -1930.12,206.56 -1931.46,207.49 -1931.46,207.49 -1932.84,208.37 -1932.84,208.37 -1934.27,209.17 -1934.27,209.17 -1935.73,209.9 -1935.73,209.9 -1937.23,210.56 -1937.23,210.56 -1938.76,211.15 -1938.76,211.15 -1940.31,211.66 -1940.31,211.66 -1941.89,212.09 -1941.89,212.09 -1943.49,212.45 -1943.49,212.45 -1945.1,212.73 -1945.1,212.73 -1946.73,212.92 -1946.73,212.92
  Bottom Layer region: -2948.36,213.05 -2950,213.09 -2950,213.09 -2951.63,213.05 -2951.63,213.05 -2953.27,212.93 -2953.27,212.93 -2954.89,212.73 -2954.89,212.73 -2956.5,212.45 -2956.5,212.45 -2958.1,212.09 -2958.1,212.09 -2959.68,211.66 -2959.68,211.66 -2961.23,211.14 -2961.23,211.14 -2962.76,210.56 -2962.76,210.56 -2964.25,209.9 -2964.25,209.9 -2965.72,209.16 -2965.72,209.16 -2967.14,208.36 -2967.14,208.36 -2968.52,207.48 -2968.52,207.48 -2969.86,206.55 -2969.86,206.55 -2971.16,205.54 -2971.16,205.54 -2972.4,204.47 -2972.4,204.47 -2973.58,203.35 -2973.58,203.35 -2974.71,202.16 -2974.71,202.16 -2975.78,200.93 -2975.78,200.93 -2976.8,199.64 -2976.8,199.64 -2977.74,198.31 -2977.74,198.31 -2978.62,196.93 -2978.62,196.93 -2979.43,195.5 -2979.43,195.5 -2980.18,194.05 -2980.18,194.05 -2980.84,192.55 -2980.84,192.55 -2981.44,191.03 -2981.44,191.03 -2981.96,189.48 -2981.96,189.48 -2982.4,187.9 -2982.4,187.9 -2982.76,186.31 -2982.76,186.31 -2983.05,184.7 -2983.05,184.7 -2983.26,183.08 -2983.26,183.08 -2983.39,181.44 -2983.39,181.44 -2983.43,179.84 -2983.43,179.84 -2983.46,179.84 -2983.46,179.84 -2983.46,-213.86 -2983.46,-213.86 -2916.53,-213.86 -2916.53,-213.86 -2916.53,179.84 -2916.53,179.84 -2916.58,181.47 -2916.58,181.47 -2916.71,183.11 -2916.71,183.11 -2916.92,184.73 -2916.92,184.73 -2917.21,186.34 -2917.21,186.34 -2917.58,187.93 -2917.58,187.93 -2918.02,189.51 -2918.02,189.51 -2918.54,191.06 -2918.54,191.06 -2919.14,192.58 -2919.14,192.58 -2919.8,194.07 -2919.8,194.07 -2920.55,195.53 -2920.55,195.53 -2921.36,196.95 -2921.36,196.95 -2922.24,198.33 -2922.24,198.33 -2923.19,199.67 -2923.19,199.67 -2924.2,200.95 -2924.2,200.95 -2925.28,202.19 -2925.28,202.19 -2926.41,203.37 -2926.41,203.37 -2927.59,204.49 -2927.59,204.49 -2928.83,205.56 -2928.83,205.56 -2930.13,206.56 -2930.13,206.56 -2931.47,207.5 -2931.47,207.5 -2932.85,208.38 -2932.85,208.38 -2934.28,209.18 -2934.28,209.18 -2935.74,209.91 -2935.74,209.91 -2937.24,210.57 -2937.24,210.57 -2938.77,211.16 -2938.77,211.16 -2940.32,211.66 -2940.32,211.66 -2941.9,212.1 -2941.9,212.1 -2943.5,212.46 -2943.5,212.46 -2945.11,212.74 -2945.11,212.74 -2946.74,212.93 -2946.74,212.93
  Bottom Layer region: -2848.34,213.05 -2849.98,213.09 -2849.98,213.09 -2851.61,213.05 -2851.61,213.05 -2853.25,212.93 -2853.25,212.93 -2854.87,212.73 -2854.87,212.73 -2856.48,212.45 -2856.48,212.45 -2858.08,212.09 -2858.08,212.09 -2859.66,211.66 -2859.66,211.66 -2861.21,211.14 -2861.21,211.14 -2862.74,210.56 -2862.74,210.56 -2864.23,209.9 -2864.23,209.9 -2865.69,209.16 -2865.69,209.16 -2867.12,208.36 -2867.12,208.36 -2868.5,207.48 -2868.5,207.48 -2869.84,206.55 -2869.84,206.55 -2871.14,205.54 -2871.14,205.54 -2872.38,204.48 -2872.38,204.48 -2873.56,203.35 -2873.56,203.35 -2874.69,202.17 -2874.69,202.17 -2875.76,200.93 -2875.76,200.93 -2876.78,199.64 -2876.78,199.64 -2877.72,198.31 -2877.72,198.31 -2878.6,196.93 -2878.6,196.93 -2879.41,195.51 -2879.41,195.51 -2880.15,194.05 -2880.15,194.05 -2880.82,192.56 -2880.82,192.56 -2881.42,191.03 -2881.42,191.03 -2881.93,189.48 -2881.93,189.48 -2882.38,187.9 -2882.38,187.9 -2882.74,186.31 -2882.74,186.31 -2883.03,184.7 -2883.03,184.7 -2883.24,183.08 -2883.24,183.08 -2883.36,181.45 -2883.36,181.45 -2883.41,179.84 -2883.41,179.84 -2883.44,179.84 -2883.44,179.84 -2883.44,-213.86 -2883.44,-213.86 -2816.51,-213.86 -2816.51,-213.86 -2816.51,179.84 -2816.51,179.84 -2816.56,181.48 -2816.56,181.48 -2816.69,183.11 -2816.69,183.11 -2816.9,184.73 -2816.9,184.73 -2817.19,186.34 -2817.19,186.34 -2817.56,187.94 -2817.56,187.94 -2818,189.51 -2818,189.51 -2818.52,191.06 -2818.52,191.06 -2819.12,192.58 -2819.12,192.58 -2819.79,194.08 -2819.79,194.08 -2820.53,195.53 -2820.53,195.53 -2821.34,196.95 -2821.34,196.95 -2822.22,198.33 -2822.22,198.33 -2823.17,199.67 -2823.17,199.67 -2824.18,200.95 -2824.18,200.95 -2825.25,202.19 -2825.25,202.19 -2826.39,203.37 -2826.39,203.37 -2827.57,204.49 -2827.57,204.49 -2828.82,205.56 -2828.82,205.56 -2830.11,206.56 -2830.11,206.56 -2831.45,207.5 -2831.45,207.5 -2832.83,208.38 -2832.83,208.38 -2834.26,209.18 -2834.26,209.18 -2835.72,209.91 -2835.72,209.91 -2837.22,210.57 -2837.22,210.57 -2838.74,211.16 -2838.74,211.16 -2840.3,211.67 -2840.3,211.67 -2841.88,212.1 -2841.88,212.1 -2843.47,212.46 -2843.47,212.46 -2845.08,212.74 -2845.08,212.74 -2846.71,212.94 -2846.71,212.94
  Bottom Layer region: -2748.34,213.05 -2749.97,213.09 -2749.97,213.09 -2751.61,213.05 -2751.61,213.05 -2753.24,212.93 -2753.24,212.93 -2754.87,212.73 -2754.87,212.73 -2756.48,212.45 -2756.48,212.45 -2758.07,212.09 -2758.07,212.09 -2759.65,211.66 -2759.65,211.66 -2761.2,211.14 -2761.2,211.14 -2762.73,210.56 -2762.73,210.56 -2764.23,209.9 -2764.23,209.9 -2765.69,209.16 -2765.69,209.16 -2767.12,208.36 -2767.12,208.36 -2768.5,207.48 -2768.5,207.48 -2769.84,206.55 -2769.84,206.55 -2771.13,205.54 -2771.13,205.54 -2772.37,204.48 -2772.37,204.48 -2773.56,203.35 -2773.56,203.35 -2774.69,202.17 -2774.69,202.17 -2775.76,200.93 -2775.76,200.93 -2776.77,199.64 -2776.77,199.64 -2777.72,198.31 -2777.72,198.31 -2778.6,196.93 -2778.6,196.93 -2779.41,195.51 -2779.41,195.51 -2780.15,194.05 -2780.15,194.05 -2780.82,192.56 -2780.82,192.56 -2781.41,191.03 -2781.41,191.03 -2781.93,189.48 -2781.93,189.48 -2782.37,187.9 -2782.37,187.9 -2782.74,186.31 -2782.74,186.31 -2783.02,184.7 -2783.02,184.7 -2783.23,183.08 -2783.23,183.08 -2783.36,181.45 -2783.36,181.45 -2783.41,179.84 -2783.41,179.84 -2783.44,179.84 -2783.44,179.84 -2783.44,-213.86 -2783.44,-213.86 -2716.51,-213.86 -2716.51,-213.86 -2716.51,179.84 -2716.51,179.84 -2716.56,181.48 -2716.56,181.48 -2716.69,183.11 -2716.69,183.11 -2716.9,184.73 -2716.9,184.73 -2717.18,186.34 -2717.18,186.34 -2717.55,187.94 -2717.55,187.94 -2718,189.51 -2718,189.51 -2718.52,191.06 -2718.52,191.06 -2719.11,192.58 -2719.11,192.58 -2719.78,194.08 -2719.78,194.08 -2720.52,195.53 -2720.52,195.53 -2721.34,196.95 -2721.34,196.95 -2722.22,198.33 -2722.22,198.33 -2723.16,199.67 -2723.16,199.67 -2724.18,200.95 -2724.18,200.95 -2725.25,202.19 -2725.25,202.19 -2726.38,203.37 -2726.38,203.37 -2727.57,204.49 -2727.57,204.49 -2728.81,205.56 -2728.81,205.56 -2730.11,206.56 -2730.11,206.56 -2731.44,207.5 -2731.44,207.5 -2732.83,208.38 -2732.83,208.38 -2734.25,209.18 -2734.25,209.18 -2735.72,209.91 -2735.72,209.91 -2737.22,210.57 -2737.22,210.57 -2738.74,211.16 -2738.74,211.16 -2740.3,211.67 -2740.3,211.67 -2741.88,212.1 -2741.88,212.1 -2743.47,212.46 -2743.47,212.46 -2745.08,212.74 -2745.08,212.74 -2746.71,212.94 -2746.71,212.94
  Bottom Layer region: -2648.34,213.05 -2649.98,213.09 -2649.98,213.09 -2651.61,213.05 -2651.61,213.05 -2653.25,212.93 -2653.25,212.93 -2654.87,212.73 -2654.87,212.73 -2656.48,212.45 -2656.48,212.45 -2658.08,212.09 -2658.08,212.09 -2659.65,211.66 -2659.65,211.66 -2661.21,211.14 -2661.21,211.14 -2662.74,210.56 -2662.74,210.56 -2664.23,209.9 -2664.23,209.9 -2665.69,209.16 -2665.69,209.16 -2667.12,208.36 -2667.12,208.36 -2668.5,207.48 -2668.5,207.48 -2669.84,206.55 -2669.84,206.55 -2671.13,205.54 -2671.13,205.54 -2672.37,204.48 -2672.37,204.48 -2673.56,203.35 -2673.56,203.35 -2674.69,202.17 -2674.69,202.17 -2675.76,200.93 -2675.76,200.93 -2676.77,199.64 -2676.77,199.64 -2677.72,198.31 -2677.72,198.31 -2678.6,196.93 -2678.6,196.93 -2679.41,195.51 -2679.41,195.51 -2680.15,194.05 -2680.15,194.05 -2680.82,192.56 -2680.82,192.56 -2681.41,191.03 -2681.41,191.03 -2681.93,189.48 -2681.93,189.48 -2682.38,187.9 -2682.38,187.9 -2682.74,186.31 -2682.74,186.31 -2683.03,184.7 -2683.03,184.7 -2683.24,183.08 -2683.24,183.08 -2683.36,181.45 -2683.36,181.45 -2683.41,179.84 -2683.41,179.84 -2683.44,179.84 -2683.44,179.84 -2683.44,-213.86 -2683.44,-213.86 -2616.51,-213.86 -2616.51,-213.86 -2616.51,179.84 -2616.51,179.84 -2616.56,181.48 -2616.56,181.48 -2616.69,183.11 -2616.69,183.11 -2616.9,184.73 -2616.9,184.73 -2617.19,186.34 -2617.19,186.34 -2617.56,187.94 -2617.56,187.94 -2618,189.51 -2618,189.51 -2618.52,191.06 -2618.52,191.06 -2619.12,192.58 -2619.12,192.58 -2619.79,194.08 -2619.79,194.08 -2620.53,195.53 -2620.53,195.53 -2621.34,196.95 -2621.34,196.95 -2622.22,198.33 -2622.22,198.33 -2623.17,199.67 -2623.17,199.67 -2624.18,200.95 -2624.18,200.95 -2625.25,202.19 -2625.25,202.19 -2626.39,203.37 -2626.39,203.37 -2627.57,204.49 -2627.57,204.49 -2628.82,205.56 -2628.82,205.56 -2630.11,206.56 -2630.11,206.56 -2631.45,207.5 -2631.45,207.5 -2632.83,208.38 -2632.83,208.38 -2634.26,209.18 -2634.26,209.18 -2635.72,209.91 -2635.72,209.91 -2637.22,210.57 -2637.22,210.57 -2638.74,211.16 -2638.74,211.16 -2640.3,211.67 -2640.3,211.67 -2641.88,212.1 -2641.88,212.1 -2643.47,212.46 -2643.47,212.46 -2645.09,212.74 -2645.09,212.74 -2646.71,212.94 -2646.71,212.94